# Altium PCB Fri3D_2024_00.PcbDoc (part 1 of 2) (continued)
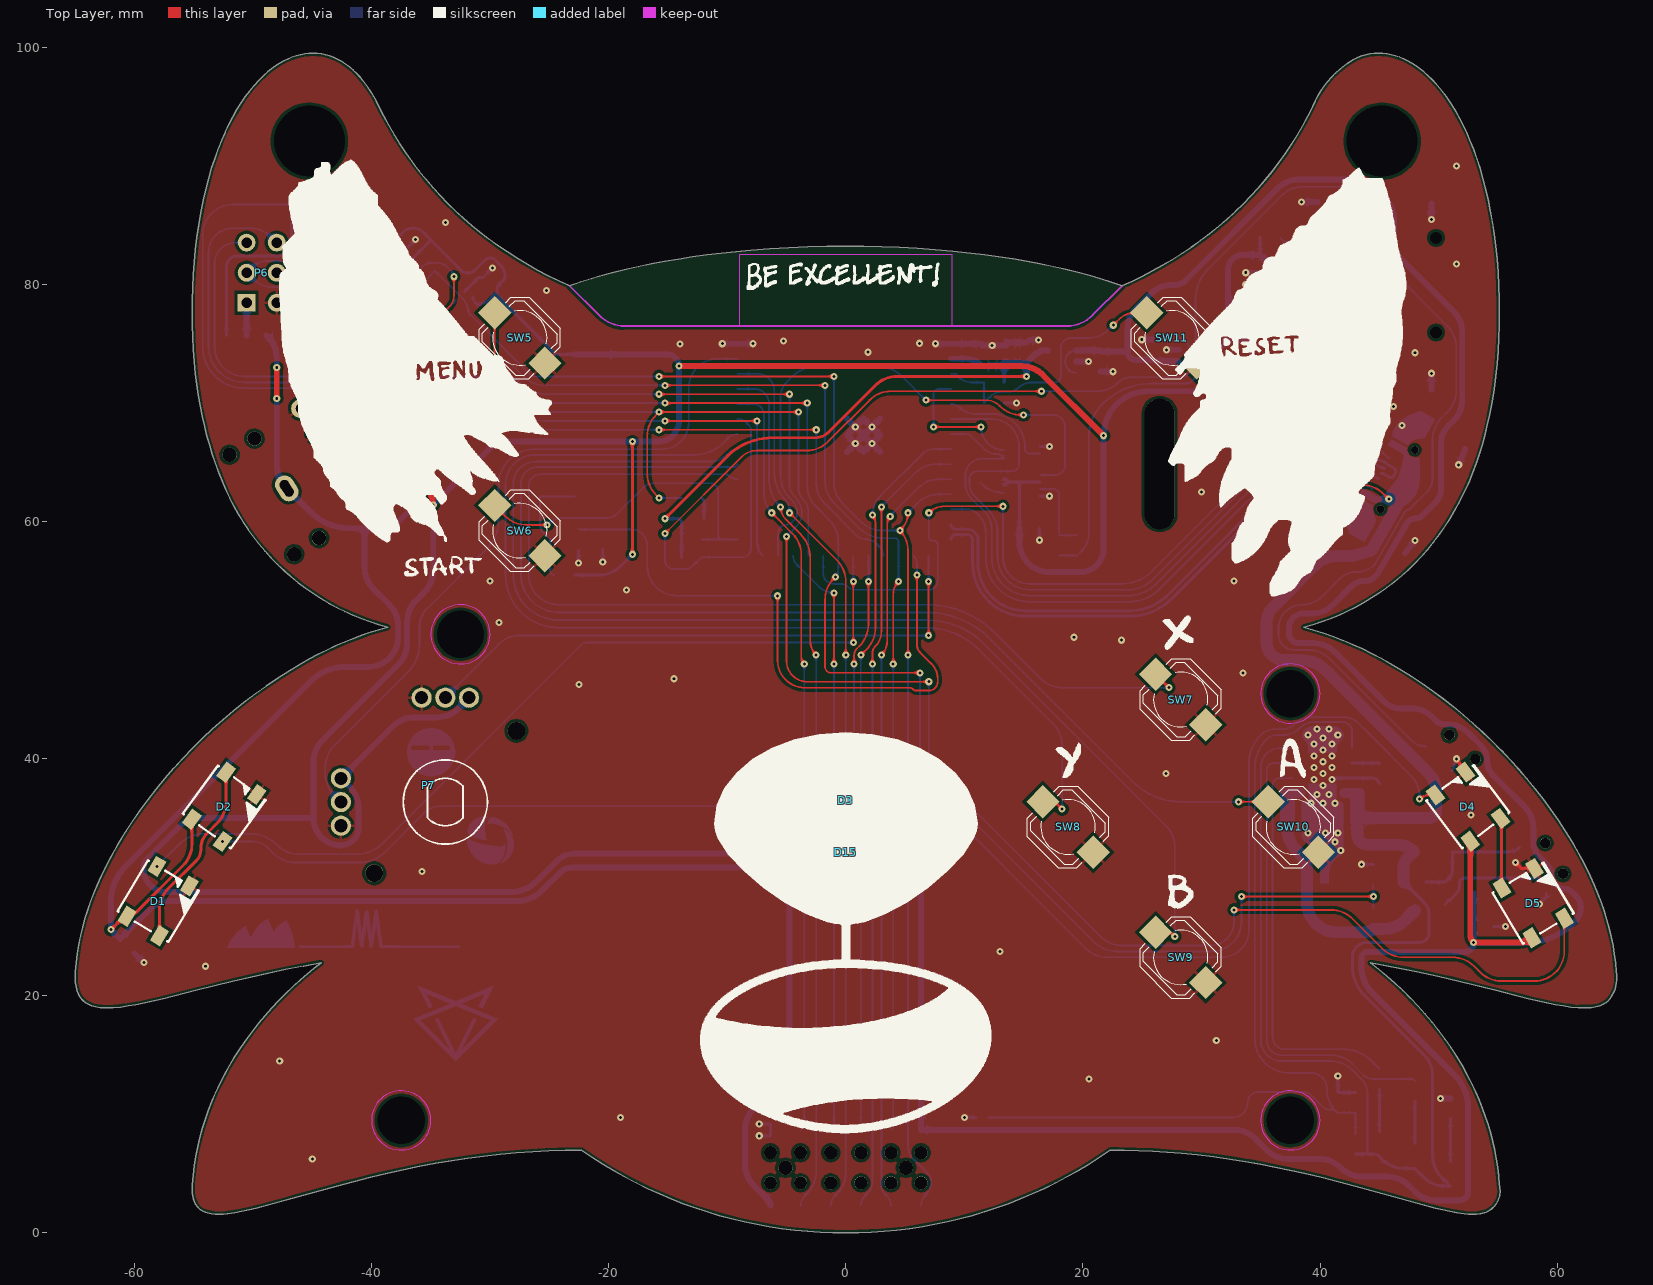
[diagram p0: Top Layer view]
## Footprints (in the part's own frame and the unit in brackets; to place one, negate y for a bottom-side part, rotate by r counter-clockwise, add the part's x,y. Pads: shape width x height; smd on the part's side, far side on the other; paste and mask are expansions set on the pad) (continued)
LED_0805_RD [mm] "0805 LED RED"
  rect 1x1.3 smd: 1(-1.05,0) 2(1.05,0)
  silkscreen extent -0.3,-0.6 0.3,0.6, body extent -1.01,-0.62 1.01,0.63, height 1.1
LED_5050_WS2812B_WHITE [mm] "5050 RGB LED WS2812B WHITE"
  rect 1.5x1 smd: 1(-2.45,1.6) 2(-2.45,-1.6) 3(2.45,-1.6) 4(2.45,1.6)
  silkscreen extent -2.5,-2.5 2.5,2.5, body extent -2.7,-2.5 2.7,2.5, height 1.6
NXP_SOT457 [mm] "NXP SOT457 SOT23-6 package"
  rect 0.8x0.55 smd: 1(-1.2,0.95) 2(-1.2,0) 3(-1.2,-0.95) 4(1.2,-0.95) 5(1.2,0) 6(1.2,0.95)
  silkscreen extent -1.5,-1.55 0.5,1.92, body extent -1.18,-1.46 1.2,1.46, height 0.93
PSP_Mini_Joystick [mm] "PSP Mini Joystick"
  round 1.7 hole 1.1: 1(-8.8,2) 2(-8.8,0) 3(-8.8,-2) 4(-2,-8.8) 5(0,-8.8) 6(2,-8.8)
  round 1.5 hole 1.5 unplated: MH(-6,6) MH(6,-6)
  silkscreen extent -3.55,-3.55 3.55,3.55, body extent -9,-9 9,9, height 7
R0402 [mm]
  rect 0.5x0.6 smd: 1(-0.5,0) 2(0.5,0)
  silkscreen extent -0.1,-0.3 0.1,0.3, body extent -0.5,-0.25 0.5,0.25, height 0.35
R0603_N [mm] "Low density"
  rect 1.1x1 smd: 1(-0.85,0) 2(0.85,0)
  silkscreen extent -0.2,-0.5 0.2,0.5, body extent -0.8,-0.41 0.8,0.41, height 0.45
RCPT2X3 [mm] "Connector; Receptable; 6x2 Position"
  rect 1.5x1.5 hole 0.9: 1(0,2.54)
  round 1.5 hole 0.9: 2(0,0) 3(2.54,2.54) 4(2.54,0) 5(5.08,2.54) 6(5.08,0)
  body extent -1.52,-1.21 6.6,3.75, height 8.51
SMA_AC [mm] "DO-214AC or SMA footprint with A and C pads"
  rect 2.6x1.7 smd: A(-2.05,0) C(2.05,0)
  silkscreen extent -2.3,-1.45 2.3,1.45, body extent -2.6,-1.3 2.6,1.3, height 2.3
SOIC_N_8_TH [mm] "150 mil body width with Exposed Thermal Pad"
  oval 2x0.6 smd: 1(-2.5,1.905) 2(-2.5,0.635) 3(-2.5,-0.635) 4(-2.5,-1.905) 5(2.5,-1.905) 6(2.5,-0.635) 7(2.5,0.635) 8(2.5,1.905)
  rect 2.41x3.3 smd: 9(0,0)
  silkscreen extent -2.53,-2.5 0.9,2.88, body extent -3,-2.45 3,2.45, height 1.75
SOT23-3 [mm] "SOT-23; 3 Leads; Body 3.1 x 2.5 mm, inc. leads (LxW max)"
  rect 0.85x1 smd: 1(-0.95,-1.2) 2(0.95,-1.2) 3(0,1.2)
  silkscreen extent -1.27,-0.3 1.27,0.7, body extent -1.5,-1.32 1.5,1.32, height 1.08
SOT23-5 [mm] "SOT23, 5-Leads, Body 3,1x3,2mm (max), Pitch 0,95mm, IPC Medium Density"
  rect 1.15x0.6 smd: 1(-1.175,0.95) 2(-1.175,0) 3(-1.175,-0.95) 4(1.175,-0.95) 5(1.175,0.95)
  silkscreen extent -1.3,-1.55 0.2,1.92, body extent -1.4,-1.45 1.4,1.45, height 1.45
TFP09-2-12B [mm] "tfp09-2-12b"
  round 0 hole 1 unplated: 0(-4.88,-5.35) 0(3.1,-5.35)
  rect 0.7x2 smd: 1(2.3,5.35) 2(1.2,5.35) 3(0.1,5.35) 4(-1,5.35) 5(-2.1,5.35) 6(-3.2,5.35) 7(-4.3,5.35) 8(-5.4,5.35) 9(-6.5,5.35)
  rect 1.4x1.6 smd: G1(-7.9,4.65)
  rect 1.4x2.4 smd: G2(-7.8,-4.95) G3(7.9,-4.95)
  rect 1.6x1.4 smd: G4(7,4.65)
  silkscreen extent -7.3,-9.35 7.4,5.15, body extent -7.93,-14.65 8.07,5.9, height 1.95
TP_1.2mm [mm] "1.2mm pad"
  round 1.2 smd mask+0.05: 1(0,0)
  silkscreen extent -0.72,-0.72 0.72,0.72
WE_709622400 [mm] "=Description"
  round 4 / inner round 0 / far side round 0 hole 4: 1(0,0)
  Top Layer keep-out circle w0.1: c0,0 r2.5
  Bottom Layer keep-out circle w0.1: c0,0 r2.5
  body extent -2.5,-2.5 2.5,2.5, height 17.6
WE_450404015514 [mm] "=Comment"
  rect 0.7x1.1 smd: 1(2.25,-2.05) 2(-0.75,-2.05) 3(-2.25,-2.05)
  round 0.9 hole 0.9 unplated: M1(-1.5,0) M2(1.5,0)
  rect 1x0.8 smd: M3(-3.75,1.15) M4(3.75,1.15) M5(-3.75,-1.15) M6(3.75,-1.15)
  silkscreen extent -3.1,-1.35 3.1,2.85, body extent -3.85,-2.25 3.85,2.88, height 1.42
WE_610312243021_POST [mm] "Connector; Receptable; 6x2 Position SMD Low Profile"
  rect 0.9x2 smd: 1(-6.35,-3.2) 2(-6.35,3.2) 3(-3.81,-3.2) 4(-3.81,3.2) 5(-1.27,-3.2) 6(-1.27,3.2) 7(1.27,-3.2) 8(1.27,3.2) 9(3.81,-3.2) 10(3.81,3.2) 11(6.35,-3.2) 12(6.35,3.2)
  round 1.1 hole 1.1 unplated: ""(-6.35,-1.27) ""(-6.35,1.27) ""(-3.81,-1.27) ""(-3.81,1.27) ""(-1.27,-1.27) ""(-1.27,1.27) ""(1.27,-1.27) ""(1.27,1.27) ""(3.81,-1.27) ""(3.81,1.27) ""(6.35,-1.27) ""(6.35,1.27)
  round 1.2 hole 1.2 unplated: ""(-5.08,0) ""(5.08,0)
  silkscreen extent -7.87,-2.54 7.87,2.54, body extent -7.62,-3.6 7.62,3.6, height 3.7
WE_665104131822 [mm]
  rect 0.6x1.55 smd: 1(0,0) 2(1,0) 3(2,0) 4(3,0)
  rect 1.2x2 smd: Z1(-1.3,-3.775) Z2(4.3,-3.775)
  silkscreen extent -1.5,-4.4 4.5,-0.15, body extent -1.5,-4.4 4.5,0.55, height 2.95
WE_2525020210001 [mm] "WSEN-HIDS 2525020210001"
  rect 0.4x0.45 smd paste-0.05 mask+0.05: 1(-0.75,0.5) 2(-0.75,-0.5) 4(0.75,-0.5) 5(0.75,0.5)
  rect 0.45x0.4 smd paste-0.05 mask+0.05: 3(0,-0.75) 6(0,0.75)
  silkscreen extent -1.3,-1.15 1,1.15, body extent -0.99,-1 1.01,1, height 0.94
WE_2536030320001 [mm] "=Description"
  rect 0.575x0.35 smd mask+0.05: 1(-1.163,0.75) 2(-1.163,0.25) 3(-1.163,-0.25) 4(-1.163,-0.75) 8(1.163,-0.75) 9(1.163,-0.25) 11(1.163,0.75)
  rect 0.35x0.575 smd mask+0.05: 5(-0.5,-0.913) 6(0,-0.913) 7(0.5,-0.913) 12(0.5,0.913) 13(0,0.913) 14(-0.5,0.913)
  rect 0.575x0.345 smd mask+0.05: 10(1.163,0.25)
  Keep-Out Layer region: -4.5,-3.75 -4.5,3.75 4.5,3.75 4.5,-3.75
  silkscreen extent -2.36,-1.45 1.59,1.45, body extent -1.55,-1.3 1.55,1.3, height 0.87
XUNPU-TYPEC-304S-ACP16 [mm] "USB C Connector SMD"
  round 0.65 hole 0.65 unplated: 0(-2.89,1.102) 0(2.89,1.102)
  rect 0.3x1.45 smd: A1(-3.375,2.548) A4(-2.55,2.548) A5(-1.25,2.548) A6(-0.25,2.547) A7(0.25,2.548) A8(1.25,2.547) A9(2.55,2.547) A12(3.375,2.548) B1(3.075,2.548) B4(2.25,2.548) B5(1.75,2.548) B6(0.75,2.547) B7(-0.75,2.548) B8(-1.75,2.547) B9(-2.25,2.548) B12(-3.075,2.548)
  rect 1.8x1.45 smd: MH1(-5.07,1.632) MH4(5.07,1.632)
  rect 1.8x1.2 smd: MH2(-5.07,-2.547) MH3(5.07,-2.548)
  silkscreen extent -4.47,-5.15 4.47,0.35, body extent -4.5,-5.15 4.44,2.75, height 3.26

## Part data
BUZ1: library part "BUZ # CUI CMT-1203-SMT", "Crystal Oscillator", Supplier Part Number 1=102-2197-1-ND, Supplier 1=Digikey, Supplier 2=Aliexpress, Supplier Part Number 2=KLJ-1230
C1 C10 C16 C17: library part "CAP # 10uF 10V 0805", "Capacitor Ceramic", Supplier Part Number 1=2320859, Supplier 1=Farnell
C2 C3 C4 C6 C8 C9: library part "CAP # 100nF 16V 0603", "Capacitor Ceramic"
C5 C11 C12 C18 C19 C20 C21: library part "CAP # 1uF 16V 0603", "Capacitor Ceramic", Supplier Part Number 1=2320814, Supplier 1=Farnell
D1 D2 D3 D4 D5: library part "LED # RGB WS2812C-5050 WH", "=Description", Supplier Part Number 1="WS2812C Black 5050", Supplier 1=Aliexpress, Supplier 2=LCSC, Supplier Part Number 2=C114587
D7 D11: library part "LED # Red 0805", "=Description", Supplier Part Number 1=2099236, Supplier 1=Farnell
D10 D12: library part "LED # Green 0805", "=Description", Supplier Part Number 1=2099239, Supplier 1=Farnell
D13: library part "Schottky # MBRA210LT3G", "=Description", Supplier Part Number 1=C145190, Supplier 1=LCSC
D14: library part "TVS # IP4220CZ6 Dual USB", "=Description", Supplier Part Number 1=2143248, Supplier 1=Farnell
D15: library part "PHO # IR Rx 940nm ZIRM-5042B-42-Z2", "=Description", Supplier Part Number 1=C575386, Supplier 1=LCSC
J1: library part "AUDIO JACK 3.5 3c SJ1-3525NG", "=Description", Supplier Part Number 1=CP1-3525NG-ND, Supplier 1=Digi-key
J2: library part "USB # C 2.0 RCPT TYPEC-304S-ACP16", Supplier Part Number 1=C720630, Supplier 1=LCSC
J3: library part "MicroSD TFP09-2-12B Push-Push", "=Description", Supplier Part Number 1=C393941, Supplier 1=LCSC
M1 M2 M3 M4: library part "SPACER SNAP-SNAP LCC-12 -12.7mm", Supplier Part Number 1=C155856, Supplier 1=LCSC
MOD1: library part "WiFi # MOD ESP32-S3-WROOM-1-N16R8", "WiFi # MOD ESP32-S3-WROOM-1", Supplier Part Number 1=ESP32-S3-WROOM-1-N16R8, Supplier 1=Espressif, Supplier 2=Digi-key, Supplier Part Number 2=1965-ESP32-S3-WROOM-1-N16R8DKR-ND
P1: library part "FPC # 15 Top 0.3mm 0.3K-HX-15PWB", Supplier Part Number 1=C2919525, Supplier 1=LCSC
P2: library part "HDR # RA SHR 1.0mm 4way - 665104131822", Supplier Part Number 1=665104131822, Supplier 1=Wurth, Supplier 2=Mouser, Supplier Part Number 2=710-665104131822
P4: library part "HDR # RA SHR 1.5mm 2way - S2B-ZR-SM4A-TF", Supplier Part Number 1=C265329, Supplier 1=LCSC, Supplier 2=Farnell, Supplier 3=Digi-Key, Supplier Part Number 2=1830920, Supplier Part Number 3=455-1693-1-ND
P6: library part "Receptacle 2.54mm dual row 6way"
P7: library part "JOY # PSP Mini Joystick", Supplier Part Number 1=32958017132, Supplier 1=AliExpress
P10: library part "Receptacle # 2.54mm dual row 12way 610312243021", Supplier Part Number 1=610312243021, Supplier 1=Wurth, Supplier 2=Mouser, Supplier Part Number 2=710-610312243021
R1 R15 R18 R19 R20: library part "RES # 10K 0603", Supplier Part Number 1=2502397, Supplier 1=Farnell
R2 R4 R7 R8 R9 R10 R21 R32 R35 R36 R37 R38 R44 R47: library part "RES # 5K1 0603", Supplier Part Number 1=2845922, Supplier 1=Farnell
  R2 R4 R36: Supplier 2=LCSC, Supplier 3=Generic, Supplier Part Number 2=C112314, Supplier Part Number 3="5K1 1% 0603"
R3 R5 R12 R17 R25 R26: library part "RES # 100K 0603"
  R3 R5: Supplier 3=Generic, Supplier Part Number 3="100K 1% 0603"
R6 R39 R43 R46: library part "RES # 100R 0603"
R11 R13 R16 R22 R23 R24: library part "RES # 1K2 0603"
R27: library part "NTC # 10K 0402", Supplier Part Number 1=C209959, Supplier 1=LCSC, Supplier 2=LCSC, Supplier Part Number 2=C98099
R45: library part "RES # 0R 0603", Supplier Part Number 1=2447743, Supplier 1=Farnell, Supplier 3=Generic, Supplier Part Number 3="0R 1% 0603"
SW1 SW4: library part "SW # 1P2T WS-SLSU mini slide 6,7 x 2,7 mm"
SW5 SW6 SW7 SW8 SW9 SW10 SW11: library part "SW # TACT ALPS SKPMAME010", Supplier Part Number 1=C115348, Supplier 1=LCSC, Supplier 2=Farnell, Supplier 3=Mouser, Supplier Part Number 2=2056804, Supplier Part Number 3=688-SKPMAM
T1 T9: library part "BSS138 N-Ch MOSFET 0.2A 3.2Vgs 60Vds", Supplier Part Number 1=2432717, Supplier 1=Farnell
T6 T7: library part "SL2301 P-Ch MOSFET -2.3A -20Vds", "=Description", Supplier Part Number 1=C181086, Supplier 1=LCSC
TP1 TP2: library part "TP # 1.2mm"
U1: library part "ACCELERO GYRO # WSEN-ISDS", "=Description", Supplier Part Number 1=2536030320001, Supplier 1=Würth
U3: library part "TMP HUM # WSEN-HIDS", "=Description", Supplier Part Number 1=1917-2525020210001CT-ND, Supplier 1=Digi-key, Supplier 2=Farnell, Supplier 3=Mouser, Supplier Part Number 2=3759082, Supplier Part Number 3=710-2525020210001
U5: library part "CHG # TP4056 LiIon 1A", "=Description", Supplier Part Number 1=TP4056, Supplier 1=Aliexpress
U6 U7: library part "LDO # 3V3 XC6210B33", "=Designator", Supplier Part Number 1=1057803, Supplier 1=Farnell

## Free pads (board coordinates)
  round 0 hole 6 unplated mask+0.2: 0(-45.24,92.102) 0(45.242,92.102)
  round 0 hole 3 unplated mask+0.2: 0(-30,96.722) 0(30,96.722)
  oval 2.5x11 hole 2.5 slot 11 at 90 deg unplated: FPC(26.468,64.868)

## Via types
v1: diameter 0.6, hole 0.25, Top Layer to Bottom Layer, tented top, 196 vias

## Nets (pads, with @x,y where several pads share a name; then routed paths per layer and width w, separated by ;. In a path a pad name is that pad's centre, name@x,y a point inside that pad or via, vN(x,y) a via of type N, cw(c..) or ccw(c..) an arc to the next point about the centre after c; other vN are vias at no path point)
3V3_AUX: BUZ1.2 C1.1 C2.1 C3.1 C4.1 C6.1 C11.1 C21.1 D15.3 J3.4 P1.10 P1.11 P1.12 P2.2 P7.1 P7.4 P10.2 R2.1 R3.1 R9.1 R10.1 R11.2 R15.1 R18.1 R19.1 R20.1 R35.1 R45.1 T9.1 U1.1 U1.2 U1.3 U1.5 U1.8 U1.12 U3.1 U3.6 U7.5 | length 424.2
  Top Layer w0.25: v1(-18,57.25) v1(-18,66.75)
  Top Layer w0.5: v1(-37.5,64.9) -35.366,62.766 cw(c-36.731,61.4) v1(-34.8,61.4) ; v1(-14.07,73.12) 14.828,73.12 cw(c14.828,70.58) 16.624,72.376 v1(21.75,67.25) ; v1(-6.5,32) -1.27,32 D15.3@-1.27,32.1
  Bottom Layer w0.15: U3.6@-31.47,79.03 ccw(c-30.616,79.03) -31.22,78.427 U3.1@-31.116,78.323
  Bottom Layer w0.25: R45.1@-52.25,75.71 -52.25,81.5 cw(c-51.326,81.5) -51.326,82.424 -47.826,82.424 ccw(c-47.826,83.5) -46.75,83.5 -46.75,85 cw(c-45.9,85) -45.9,85.85 R2.1@-44.5,85.85 ; U1.12@-43.413,80.5 ccw(c-43.413,80.289) -43.562,80.438 -43.576,80.424 ccw(c-42.551,79.4) -44,79.4 -44,77.352 ccw(c-41.46,77.352) -43.256,75.556 -42.544,74.844 ccw(c-40.748,76.64) -40.748,74.1 -39.352,74.1 ccw(c-39.352,76.64) -37.556,74.844 -37.345,75.055 ccw(c-39.141,76.851) -36.601,76.851 R10.1@-36.601,76.899 R9.1@-37.601,77.899 -37.903,78.201 cw(c-36.705,79.399) C11.1@-38.399,79.399 ; U1.1@-43.25,82.163 -43.25,82.8 ; U1.2@-42.75,82.163 -42.75,82.8 ; U1.3@-42.25,82.163 -42.25,82.65 ccw(c-42.4,82.65) -42.4,82.8 -42.75,82.8 ; U1.8@-41.75,79.837 -40.873,79.837 cw(c-40.873,79.027) -40.3,79.6 ccw(c-39.91,79.99) -39.91,79.438 -38.494,79.438 cw(c-38.494,79.303) C11.1@-38.399,79.399 ; U1.5@-41.587,81.5 ccw(c-41.587,81.953) -41.267,81.633 ccw(c-41.921,82.287) -40.996,82.287 C2.1@-40.996,84.027 ; R3.1@-40.15,78.5 -39.483,78.5 ccw(c-39.483,79.183) -39,78.7 -38.468,79.232 ccw(c-38.635,79.399) C11.1@-38.399,79.399 ; R35.1@-38.989,67.079 -38.989,67.039 ccw(c-37.952,67.039) -38.685,66.306 -38.204,65.825 ccw(c-38.174,65.855) T9.1@-38.174,65.812 ; U3.1@-31.116,78.323 ccw(c-31.116,79.872) -30.021,78.777 C3.1@-29.399,79.399 ; R11.2@-22.9,55.5 -20.802,55.5 ccw(c-20.802,58.04) -19.006,56.244 v1(-18,57.25) ; BUZ1.2@-22.88,74.115 -24.459,74.115 -29.399,79.055 C3.1@-29.399,79.399 ; P1.12@13.335,63.048 cw(c14.06,62.324) 14.06,63.348 ; P1.10@13.335,63.648 ccw(c14.06,64.372) 14.06,63.348 ; C4.1@14.65,59.474 14.65,63.348 ; P1.11@16.4,63.348 14.65,63.348 ; R15.1@34.95,77 R20.1@34.95,78.5 ; R18.1@34.95,82.5 R19.1@34.95,84 ; R2.1@-44.5,85.85 -44.856,85.494 ccw(c-43.06,83.698) -45.6,83.698 -45.6,83.3 ccw(c-45.1,83.3) -45.1,82.8 -43.25,82.8 ; R2.1@-44.5,85.85 -43.756,85.106 ccw(c-43.5,85.363) -43.5,85 -42.273,85 cw(c-42.273,83.801) -41.426,84.649 -41.132,84.356 cw(c-41.461,84.027) C2.1@-40.996,84.027 ; -43.25,82.8 -42.75,82.8 ; C2.1@-40.996,84.027 -38.037,84.027 ccw(c-38.037,84.787) -37.5,84.25 cw(c-36.507,83.548) -35.648,84.408 -35,83.76 -35,83.75 ; C11.1@-38.399,79.399 -37.449,80.349 C6.1@-37.449,80.362 -37.497,80.41 -37.497,80.921 cw(c-36.897,80.921) -37.322,81.345 P2.2@-36.503,82.164 cw(c-36.302,82.164) -36.444,82.306 -35,83.75 ; -35,83.75 -32.43,81.18 ccw(c-31.906,81.703) -31.906,80.963 ccw(c-31.906,81.853) -31.277,81.223 -30.427,82.073 cw(c-30,81.646) -30,82.25 cw(c-30,81.646) -29.573,82.073 -29.104,81.604 cw(c-29.957,80.75) -28.75,80.75 cw(c-29.375,80.75) -28.933,80.308 -29.399,79.842 C3.1@-29.399,79.399 ; 14.06,63.348 14.65,63.348
  Bottom Layer w0.5: T9.1@-38.174,65.812 ccw(c-37.598,65.812) -38.005,65.405 v1(-37.5,64.9) ; P7.1@-31.783,45.152 -32.705,44.231 cw(c-34.481,46.007) -34.481,43.495 -36.377,43.495 ccw(c-36.377,40.927) -38.193,42.743 P7.4@-42.583,38.352 -41.844,37.613 cw(c-43.64,35.817) -41.1,35.817 -41.1,34.2 cw(c-42.6,34.2) -42.6,32.7 cw(c-42.6,35) -44.9,35 ; BUZ1.2@-22.88,74.115 -15.064,74.115 cw(c-15.064,73.12) v1(-14.07,73.12) -14.07,68.5 cw(c-15.82,68.5) -15.82,66.75 -28.398,66.75 ccw(c-28.398,64.21) -30.194,66.006 v1(-34.8,61.4) -34.8,55.852 cw(c-37.34,55.852) -35.544,54.056 -36.256,53.344 ccw(c-34.46,51.548) -37,51.548 -37,49.752 cw(c-39.54,49.752) -37.744,47.956 -44.156,41.544 ccw(c-42.36,39.748) -44.9,39.748 -44.9,35 ; P10.2@-6.35,2.3 ccw(c-7.074,2.3) -6.562,2.812 -7.756,4.006 cw(c-5.96,5.802) -8.5,5.802 -8.5,8.698 cw(c-5.96,8.698) -7.756,10.494 -5.494,12.756 ccw(c-7.29,14.552) -4.75,14.552 -4.75,29.198 ccw(c-7.29,29.198) -5.494,30.994 v1(-6.5,32) -22.917,32 ccw(c-22.917,29.988) -24.339,31.411 -26.101,29.649 cw(c-28.271,31.818) -28.271,28.75 -57.25,28.75 cw(c-57.25,30.75) -59.25,30.75 cw(c-58.043,30.75) -58.897,31.603 -56.244,34.256 cw(c-54.448,32.46) -54.448,35 -44.9,35 ; C4.1@14.65,59.474 14.65,58.29 ccw(c17.19,58.29) 17.19,55.75 19.75,55.75 ccw(c19.75,57.75) 21.75,57.75 v1(21.75,67.25) cw(c25.5,67.25) 25.5,71 32,71 ccw(c32,73.25) 34.25,73.25 34.25,74.25 ccw(c33.15,74.25) 33.15,75.35 C21.1@32.25,75.35 ; U7.5@30.425,73.55 C21.1@32.207,75.332 ; C21.1@32.207,75.332 cw(c32.25,75.29) C21.1@32.25,75.35 ; J3.4@39.091,80.054 38.995,80.15 C1.1@36.6,80.15 ; C21.1@32.25,75.35 32.25,78.5 ; 32.25,78.5 32.25,81.25 cw(c33.5,81.25) 33.5,82.5 R18.1@34.95,82.5 36.609,80.841 cw(c36.267,80.5) C1.1@36.75,80.5 cw(c36.267,80.5) 36.608,80.158 C1.1@36.6,80.15 ; 32.25,78.5 R20.1@34.95,78.5 C1.1@36.6,80.15
3V3_ESP: C9.1 C10.1 C19.1 D7.1 MOD1.2 R1.1 R7.1 R8.1 U6.5 | length 51.4
  Top Layer w0.25: v1(-15.25,60.25) -9.994,65.506 cw(c-6.198,61.71) -6.198,67.078 -2.586,67.078 ccw(c-2.586,68.681) -1.452,67.548 2.506,71.506 cw(c4.302,69.71) 4.302,72.25 v1(15.25,72.25)
  Bottom Layer w0.25: v1(-15.25,60.25) D7.1@-14.05,60.25 -13.85,60.05 R7.1@-13.85,58.5 R1.1@-13.85,57 ; R8.1@13.35,71.75 13.35,73.15 13.35,73.3 C10.1@13.5,73.3
  Bottom Layer w0.5: MOD1.2@8.875,73.74 10.075,73.74 cw(c10.075,71.725) C9.1@11.5,73.15 C10.1@13.35,73.15 ; C10.1@13.5,73.3 cw(c13.741,73.059) 13.741,73.4 C19.1@15.25,73.4 ; v1(15.25,72.25) C19.1@15.25,73.4 ; U6.5@17.075,74.45 16.858,74.45 ccw(c16.858,73.083) 15.891,74.05 15.25,73.408 C19.1@15.25,73.4
  Bottom Layer w0.9: C10.1@13.35,73.15 13.5,73.15 C10.1@13.5,73.3
ACC.INT2: R39.2 TP1.1 | length 2.1
  Bottom Layer w0.15: R39.2@-40.15,77 -40,76.85 TP1.1@-40,75
C\H\R\G\: R24.2 U5.7 | length 39.2
  Bottom Layer w0.15: U5.7@37.7,39.635 36.135,39.635 ccw(c36.135,39) 35.5,39 35.5,16.29 ccw(c36.79,16.29) 36.79,15 40.948,15 cw(c40.948,12.46) 42.744,14.256 43.713,13.287 ccw(c44.406,13.979) 44.406,13 47.638,13 cw(c47.638,12.488) R24.2@48,12.85
ESP.IO0: MOD1.27 R7.2 SW6.1 | length 28.2
  Top Layer w0.15: SW6.1@-29.621,61.371 -28.719,60.469 ccw(c-26.923,62.265) -26.923,59.725 v1(-25.2,59.725)
  Bottom Layer w0.15: v1(-25.2,59.725) cw(c-23.794,58.319) -23.794,60.307 -20.165,60.307 ccw(c-20.165,61.531) -20.124,60.308 ccw(c-20.165,61.531) -19.3,60.666 -17.13,62.836 cw(c-16.13,61.836) -16.13,63.25 -11.5,63.25 cw(c-11.5,62.5) -10.75,62.5 -10.75,58.5 ; R7.2@-12.15,58.5 -10.75,58.5 ; MOD1.27@-9.125,58.5 -10.75,58.5
ESP.IO1: MOD1.39 P7.5 | length 60.2
  Bottom Layer w0.15: P7.5@-42.583,36.352 -43.156,36.925 cw(c-41.36,38.721) -43.9,38.721 -43.9,39.305 cw(c-41.36,39.305) -43.156,41.101 -36.918,47.339 ccw(c-39.208,49.63) -35.969,49.63 -35.969,51.065 cw(c-33.638,51.065) -35.286,52.714 -30.244,57.756 ccw(c-32.523,60.035) -29.3,60.035 -29.3,63.083 cw(c-26.278,63.083) -26.278,66.105 -15.503,66.105 ccw(c-15.503,68.359) -13.25,68.359 -13.25,71.296 cw(c-10.806,71.296) -10.806,73.74 MOD1.39@-9.125,73.74
ESP.IO2: MOD1.38 P10.6 | length 75.2
  Top Layer w0.15: v1(-4.75,60.75) -0.744,56.744 cw(c-2.54,54.948) 0,54.948 v1(0,48.75)
  Bottom Layer w0.15: MOD1.38@-9.125,72.47 -7.47,72.47 cw(c-7.47,71.029) -6.029,71.029 -6.029,64.11 ccw(c-2.783,64.11) -5.078,61.815 cw(c-5.869,61.023) -4.75,61.023 v1(-4.75,60.75) ; P10.6@-1.27,2.3 cw(c-0.087,2.3) -0.924,3.136 -0.704,3.356 ccw(c-2.403,5.056) 0,5.056 v1(0,48.75)
ESP.IO3: MOD1.15 P7.2 | length 49.6
  Top Layer w0.15: v1(6.985,50.4) v1(6.985,54.95)
  Bottom Layer w0.15: P7.2@-33.783,45.152 -29.179,49.756 cw(c-27.625,48.201) -27.625,50.4 v1(6.985,50.4) ; v1(6.985,54.95) MOD1.15@6.985,57.125
ESP.IO4: MOD1.4 P1.2 | length 11.5
  Top Layer w0.15: v1(7.4,68) 7.4,67.992 v1(11.4,67.992)
  Bottom Layer w0.15: v1(7.4,68) 7.4,70.7 cw(c7.9,70.7) 7.9,71.2 MOD1.4@8.875,71.2 ; v1@11.4,68 v1(11.4,67.992) 11.4,67.984 ccw(c13.335,67.984) P1.2@13.335,66.048
ESP.IO5: MOD1.5 P1.3 | length 9.8
  Bottom Layer w0.15: MOD1.5@8.875,69.93 cw(c8.875,68.856) 9.539,69.7 ccw(c10.887,70.894) 10.887,69.094 12.337,69.094 cw(c12.337,66.322) 15.109,66.322 15.109,66.091 ccw(c15.452,66.091) 15.452,65.748 P1.3@16.4,65.748
ESP.IO6: J3.3 MOD1.6 P1.8 R20.2 | length 71.2
  Bottom Layer w0.15: MOD1.6@8.875,68.66 12.309,68.66 cw(c12.309,66.356) 14.613,66.356 14.613,64.87 cw(c13.991,64.87) 13.991,64.248 P1.8@13.335,64.248 11.071,64.248 ccw(c11.071,63.614) 10.437,63.614 10.437,63.125 ccw(c11.698,63.125) 10.802,62.237 11.947,61.092 cw(c9.872,59.017) 12.807,59.017 12.807,57.023 ccw(c15.58,57.023) 15.58,54.25 23.793,54.25 ccw(c23.793,57.164) 25.854,55.104 40.443,69.693 ccw(c36.684,73.452) 42,73.452 42,78.2 ccw(c41.246,78.2) 41.246,78.954 J3.3@39.091,78.954 37.279,78.954 ccw(c37.279,78.533) 36.981,78.831 R20.2@36.65,78.5
ESP.IO7: J3.5 MOD1.7 P1.4 R18.2 | length 71.6
  Bottom Layer w0.15: MOD1.7@8.875,67.39 10.11,67.39 cw(c10.11,66.666) 10.622,67.178 11.656,66.144 ccw(c12.727,67.214) 12.727,65.7 cw(c12.727,64.84) P1.4@13.335,65.448 cw(c12.978,65.806) 12.978,65.3 11.469,65.3 ccw(c11.469,63.923) 10.092,63.923 10.092,63.225 ccw(c11.97,63.225) 10.642,61.897 11.712,60.827 cw(c10.275,59.391) 12.307,59.391 12.307,57.003 ccw(c15.56,57.003) 15.56,53.75 23.785,53.75 ccw(c23.785,57.167) 26.201,54.751 40.831,69.381 ccw(c36.559,73.652) 42.6,73.652 42.6,79.7 ccw(c41.146,79.7) 41.146,81.154 J3.5@39.091,81.154 39.048,81.154 cw(c39.048,83.694) 37.252,81.898 R18.2@36.65,82.5
ESP.IO8: J3.7 MOD1.12 R19.2 | length 64.7
  Bottom Layer w0.15: MOD1.12@8.875,61.04 10.314,61.04 cw(c10.314,60.085) 10.99,60.76 11.25,60.5 cw(c9.905,59.156) 11.807,59.156 11.807,56.943 ccw(c15.5,56.943) 15.5,53.25 23.907,53.25 ccw(c23.907,56.855) 26.456,54.306 41.185,69.035 ccw(c36.319,73.9) 43.2,73.9 43.2,81 ccw(c40.846,81) 40.846,83.354 J3.7@39.091,83.354 37.984,83.354 cw(c37.984,85.175) 36.697,83.888 R19.2@36.65,84
ESP.IO9: MOD1.17 P2.3 P6.3 P10.9 R9.2 U1.14 U3.4 | length 141.9
  Top Layer w0.15: v1(-33.936,77.625) -33.436,78.125 ccw(c-34.353,79.043) -33.056,79.043 v1(-33.056,80.662) ; v1(-15.25,71.5) v1(-1.75,71.5) ; v1(4,48) 4,53.876 cw(c5.519,53.876) v1(4.445,54.95)
  Bottom Layer w0.15: U1.14@-43.413,81.5 -45.576,81.5 cw(c-45.576,82.524) -46.3,81.8 ccw(c-46.757,81.343) -46.757,81.989 -48.796,81.989 ccw(c-48.796,80.168) -50.084,81.456 P6.3@-50.54,81 -50.075,80.535 ccw(c-48.3,82.311) -48.3,79.8 cw(c-48.3,77.869) -46.934,79.234 -45.561,77.861 cw(c-46.674,76.748) -45.1,76.748 -45.1,76.431 ccw(c-43.093,76.431) -44.512,75.012 -43.544,74.044 ccw(c-41.506,76.081) -41.506,73.2 -38.894,73.2 ccw(c-38.894,76.081) -36.856,74.044 -34.912,75.988 ccw(c-35.424,76.5) -34.7,76.5 cw(c-33.829,76.5) -34.445,77.116 v1(-33.936,77.625) ; R9.2@-36.399,79.101 -36.399,80.413 cw(c-36.019,80.413) -36.288,80.681 -35.996,80.973 ccw(c-36.48,81.457) P2.3@-35.796,81.457 cw(c-34.867,80.528) -34.867,81.842 -34.575,81.842 cw(c-34.575,80.4) -33.556,81.42 -33.238,81.102 cw(c-33.678,80.662) v1(-33.056,80.662) ; U3.4@-32.884,78.677 v1(-33.936,77.625) ; v1(-15.25,71.5) -25.398,71.5 cw(c-25.398,74.04) -27.194,72.244 -28.273,73.323 ccw(c-28.88,72.716) -28.88,73.574 cw(c-28.88,76.001) -30.595,74.285 v1(-33.936,77.625) ; v1(-1.75,71.5) -1.75,63.402 ccw(c0.79,63.402) -1.006,61.606 1.141,59.459 ccw(c3.211,61.529) 3.211,58.602 4.148,58.602 cw(c4.148,58.305) 4.445,58.305 MOD1.17@4.445,57.125 v1(4.445,54.95) ; P10.9@3.81,8.7 4,8.89 v1(4,48)
ESP.IO10: MOD1.18 R4.1 R32.2 R35.2 T9.2 | length 52.3
  Top Layer w0.15: v1(-15.75,67.75) v1(-2.491,67.75)
  Bottom Layer w0.15: R35.2@-37.613,68.079 T9.2@-36.637,66.929 ; R4.1@-36.384,67.078 R32.2@-35.17,68.009 -35.135,68.009 -35.135,69.615 cw(c-34,69.615) -34,70.75 -32.052,70.75 cw(c-32.052,68.21) -30.256,70.006 -28.744,68.494 ccw(c-26.948,70.29) -26.948,67.75 v1(-15.75,67.75) ; v1(-2.491,67.75) -2.491,63.293 ccw(c0.049,63.293) -1.747,61.497 0.896,58.854 ccw(c1.75,59.707) 1.75,58.5 cw(c1.75,57.293) 2.604,58.146 2.857,57.893 cw(c2.089,57.125) MOD1.18@3.175,57.125
ESP.IO11: D15.1 MOD1.19 | length 25.5
  Top Layer w0.15: v1(0.7,35) cw(c-0.676,33.624) 1.27,33.624 D15.1@1.27,32.1 ; v1(0.7,48) 0.7,48.719 cw(c1.53,48.719) 0.943,49.306 1.161,49.524 ccw(c-0.635,51.32) 1.905,51.32 v1(1.905,54.95)
  Bottom Layer w0.15: v1(0.7,35) v1(0.7,48) ; v1(1.905,54.95) MOD1.19@1.905,57.125
ESP.IO12: D1.4 MOD1.20 | length 74.8
  Top Layer w0.15: v1(0.635,49.8) v1(0.635,54.95)
  Bottom Layer w0.15: v1(-58.11,30.924) -56.278,32.756 cw(c-54.077,30.555) -54.077,33.668 -50.182,33.668 cw(c-50.182,30.608) -47.938,32.688 ccw(c-46.142,34.484) -46.142,31.944 -41.308,31.944 ccw(c-41.308,35.112) -39.068,32.872 -22.385,49.555 cw(c-21.793,48.963) -21.793,49.8 v1(0.635,49.8) ; v1(0.635,54.95) MOD1.20@0.635,57.125
ESP.IO13: MOD1.21 P6.6 R12.2 R17.1 | length 157.8
  Top Layer w0.15: v1(-15.25,70) v1(-3.25,70) ; v1(-0.874,55.349) -1.006,55.216 ccw(c0.79,53.42) -1.75,53.42 -1.75,47.75 ccw(c-1.25,47.75) -1.25,47.25 v1(6.25,47.25) ; v1(33.375,28.375) v1(44.5,28.375)
  Bottom Layer w0.15: P6.6@-48,83.54 -48.466,84.006 ccw(c-50.262,82.21) -50.262,84.75 -51.75,84.75 ccw(c-51.75,82.75) -53.75,82.75 -53.75,74.79 ccw(c-50.71,74.79) -50.71,71.75 -28.946,71.75 cw(c-28.946,69.742) -27.526,71.162 -27.108,70.744 ccw(c-25.312,72.54) -26.109,70.128 ccw(c-25.312,72.54) -25.312,70 v1(-15.25,70) ; v1(-3.25,70) -3.25,63.052 ccw(c-0.71,63.052) -2.506,61.256 -1.379,60.129 cw(c-3.175,58.333) -0.635,58.333 MOD1.21@-0.635,57.125 -0.635,55.925 cw(c-1.45,55.925) v1(-0.874,55.349) ; v1(6.25,47.25) 6.25,40.302 ccw(c8.79,40.302) 6.994,38.506 21.006,24.494 ccw(c22.802,26.29) 22.802,23.75 30.835,23.75 ccw(c30.835,26.29) 33.375,26.29 v1(33.375,28.375) ; R12.2@44.5,27.35 v1(44.5,28.375) R17.1@44.5,29.4
ESP.IO14: J3.2 MOD1.22 R15.2 | length 76.3
  Top Layer w0.15: v1(7,60.75) cw(c8.323,59.427) 8.323,61.298 v1(13.25,61.298)
  Bottom Layer w0.15: MOD1.22@-1.905,57.125 -1.905,55.655 ccw(c-1,55.655) -1.331,54.813 ccw(c-1,55.655) -1,54.75 -0.392,54.75 cw(c-0.392,53.997) 0.141,54.529 ccw(c0.815,55.204) 0.815,54.25 6.999,54.25 ccw(c6.999,55.001) 7.75,55.001 7.75,58.069 ccw(c7.428,58.069) 7.428,58.392 7.358,58.392 cw(c7.358,58.75) 7,58.75 v1(7,60.75) ; v1(13.25,61.298) 13.25,57.023 ccw(c15.523,57.023) 15.523,54.75 23.269,54.75 ccw(c23.269,58.326) 25.797,55.797 40.479,70.479 ccw(c38.256,72.702) 41.4,72.702 41.4,77.2 ccw(c40.746,77.2) 40.746,77.854 J3.2@39.091,77.854 38.557,77.854 ccw(c38.557,75.314) 36.761,77.111 R15.2@36.65,77
ESP.IO15: MOD1.8 P10.7 | length 61.7
  Top Layer w0.15: v1(1.27,48.75) 1.756,49.236 ccw(c-0.04,51.032) 2.5,51.032 2.5,59.944 ccw(c1.646,59.944) v1(2.25,60.548)
  Bottom Layer w0.15: P10.7@1.27,8.7 v1(1.27,48.75) ; v1(2.25,60.548) cw(c4.548,60.548) 2.923,62.173 6.487,65.737 cw(c7.412,64.812) 7.412,66.12 MOD1.8@8.875,66.12
ESP.IO16: MOD1.9 P10.8 | length 66.7
  Top Layer w0.15: v1(2.249,48) 2.249,48.895 cw(c3.105,48.895) 2.5,49.5 ccw(c1.293,50.707) 3,50.707 v1(3,61.25)
  Bottom Layer w0.15: P10.8@1.27,2.3 cw(c2.453,2.3) 1.616,3.136 1.836,3.356 ccw(c0.838,4.354) 2.249,4.354 v1(2.249,48) ; v1(3,61.25) 5.856,64.106 cw(c7.652,62.31) 7.652,64.85 MOD1.9@8.875,64.85
ESP.IO17: MOD1.10 P10.10 | length 64.9
  Top Layer w0.15: v1(3,48.75) ccw(c1.793,49.957) 3.5,49.957 3.5,59.834 cw(c4.354,59.834) v1(3.75,60.438)
  Bottom Layer w0.15: v1(3,48.75) 3,3.945 ccw(c3.833,3.945) 3.244,3.356 3.464,3.136 cw(c2.627,2.3) P10.10@3.81,2.3 ; v1(3.75,60.438) cw(c3.901,60.438) 3.794,60.544 6.086,62.836 cw(c7.882,61.04) 7.882,63.58 MOD1.10@8.875,63.58
ESP.IO21: MOD1.23 R13.2 R46.2 | length 97.5
  Top Layer w0.15: v1(-15.75,62) -16.006,62.256 cw(c-14.21,64.052) -16.75,64.052 -16.75,67.198 cw(c-14.21,67.198) -16.006,68.994 v1(-15.75,69.25) v1(-4,69.25)
  Bottom Layer w0.15: R46.2@-43,85.85 -43.652,86.502 ccw(c-44.25,85.905) -44.25,86.75 -51.71,86.75 ccw(c-51.71,84.21) -54.25,84.21 -54.25,74.79 ccw(c-50.71,74.79) -50.71,71.25 -28.946,71.25 cw(c-28.946,69.742) -27.88,70.808 -27.065,69.994 ccw(c-25.269,71.79) -25.553,69.266 ccw(c-25.269,71.79) -25.269,69.25 v1(-15.75,69.25) ; v1(-15.75,62) R13.2@-13.85,62 ; v1(-4,69.25) -4,62.957 ccw(c-2.293,62.957) -3.5,61.75 cw(c-4.285,60.965) -3.175,60.965 MOD1.23@-3.175,57.125
ESP.IO38: MOD1.31 SW7.1 | length 85.2
  Top Layer w0.15: SW7.1@26.129,47.121 v1(27.25,46)
  Bottom Layer w0.15: MOD1.31@-9.125,63.58 cw(c-9.125,64.714) -9.927,63.912 ccw(c-10.139,63.7) -10.139,64 -25.75,64 ccw(c-25.75,63) -26.75,63 -26.75,55.54 ccw(c-24.21,55.54) -24.21,53 6.802,53 cw(c6.801,44.795) 12.603,50.597 16.456,46.744 ccw(c18.252,48.54) 18.252,46 v1(27.25,46)
ESP.IO39: MOD1.32 SW10.1 | length 97.7
  Top Layer w0.15: v1(33.129,36.371) SW10.1@35.629,36.371
  Bottom Layer w0.15: MOD1.32@-9.125,64.85 -9.371,64.604 -26.01,64.604 ccw(c-26.01,63.214) -27.4,63.214 -27.4,55.54 ccw(c-24.21,55.54) -24.21,52.35 6.802,52.35 cw(c6.802,44.795) 12.143,50.137 24.241,38.04 ccw(c28.269,42.068) 28.269,36.371 v1(33.129,36.371)
ESP.IO40: MOD1.33 SW9.1 | length 103.4
  Top Layer w0.15: SW9.1@26.129,25.371 27.379,25.371 v1(27.75,25)
  Bottom Layer w0.15: MOD1.33@-9.125,66.12 ccw(c-9.125,65.055) -9.878,65.808 -10.049,65.637 cw(c-11.407,66.995) -10.758,65.188 cw(c-11.407,66.995) -11.407,65.075 -26.148,65.075 ccw(c-26.148,63.173) -28.05,63.173 -28.05,55.54 ccw(c-24.21,55.54) -24.21,51.7 6.802,51.7 cw(c6.802,44.795) 11.684,49.678 27.006,34.355 cw(c25.21,32.559) 27.75,32.559 v1(27.75,25)
ESP.IO41: MOD1.34 SW8.1 | length 90.3
  Top Layer w0.15: SW8.1@16.629,36.371 17.629,36.371 v1(18.25,35.75)
  Bottom Layer w0.15: MOD1.34@-9.125,67.39 ccw(c-9.125,66.231) -9.944,67.051 cw(c-12.814,69.25) -12.814,65.635 -26.208,65.635 ccw(c-26.208,63.143) -28.7,63.143 -28.7,55.54 ccw(c-24.21,55.54) -24.21,51.05 6.802,51.05 cw(c6.802,44.795) 11.224,49.218 17.506,42.936 cw(c15.71,41.14) 18.25,41.14 v1(18.25,35.75)
ESP.IO42: MOD1.35 R1.2 U7.3 | length 75.1
  Top Layer w0.15: v1(-15.25,59) -8.78,65.47 cw(c-7.5,64.189) -7.5,66 -3.302,66 ccw(c-3.302,68.54) -1.506,66.744 2.006,70.256 cw(c3.802,68.46) 3.802,71 v1(16.5,71)
  Bottom Layer w0.15: v1(-15.25,59) -15.25,56.75 ccw(c-14.5,56.75) -14.5,56 -13.558,56 ccw(c-13.558,56.933) -12.899,56.273 -12.172,57 R1.2@-12.15,57 -8.75,57 ccw(c-8.75,57.75) -8,57.75 -8,67.757 ccw(c-8.516,67.757) -8.151,68.122 -8.381,68.352 ccw(c-9.125,67.607) MOD1.35@-9.125,68.66 ; v1(16.5,71) 21.198,71 ccw(c21.198,73.54) 22.994,71.744 23,71.75 cw(c24.047,70.703) 24.047,72.184 28.356,72.184 ccw(c28.356,72.878) 29.05,72.878 29.05,74.265 ccw(c27.717,74.265) 28.66,75.208 ccw(c28.075,74.623) U7.3@28.075,75.45
ESP.IO43: MOD1.37 P10.4 | length 72.7
  Top Layer w0.15: v1(-5.5,61.25) ccw(c-4.034,61.25) -5.071,60.213 -3.845,58.987 cw(c-5.884,56.948) -3,56.948 -3,49.957 ccw(c-1.293,49.957) v1(-2.5,48.75)
  Bottom Layer w0.15: MOD1.37@-9.125,71.2 -7.7,71.2 cw(c-7.7,69.973) -6.473,69.973 -6.473,63.52 ccw(c-3.341,63.52) v1(-5.5,61.25) ; P10.4@-3.81,2.3 cw(c-2.627,2.3) -3.464,3.136 -3.244,3.356 ccw(c-5.04,5.152) -2.5,5.152 v1(-2.5,48.75)
ESP.IO44: MOD1.36 P10.3 | length 64.4
  Top Layer w0.15: v1(-6.25,60.75) -4.494,58.994 cw(c-6.29,57.198) -3.75,57.198 -3.75,48.604 ccw(c-2.896,48.604) v1(-3.5,48)
  Bottom Layer w0.15: MOD1.36@-9.125,69.93 -7.805,69.93 cw(c-7.805,69.022) -6.897,69.022 -6.897,62.312 ccw(c-4.688,62.312) v1(-6.25,60.75) ; P10.3@-3.81,8.7 -3.5,9.01 v1(-3.5,48)